# KiCad board modulo_puente_h-panel.kicad_pcb
title: (Panel)
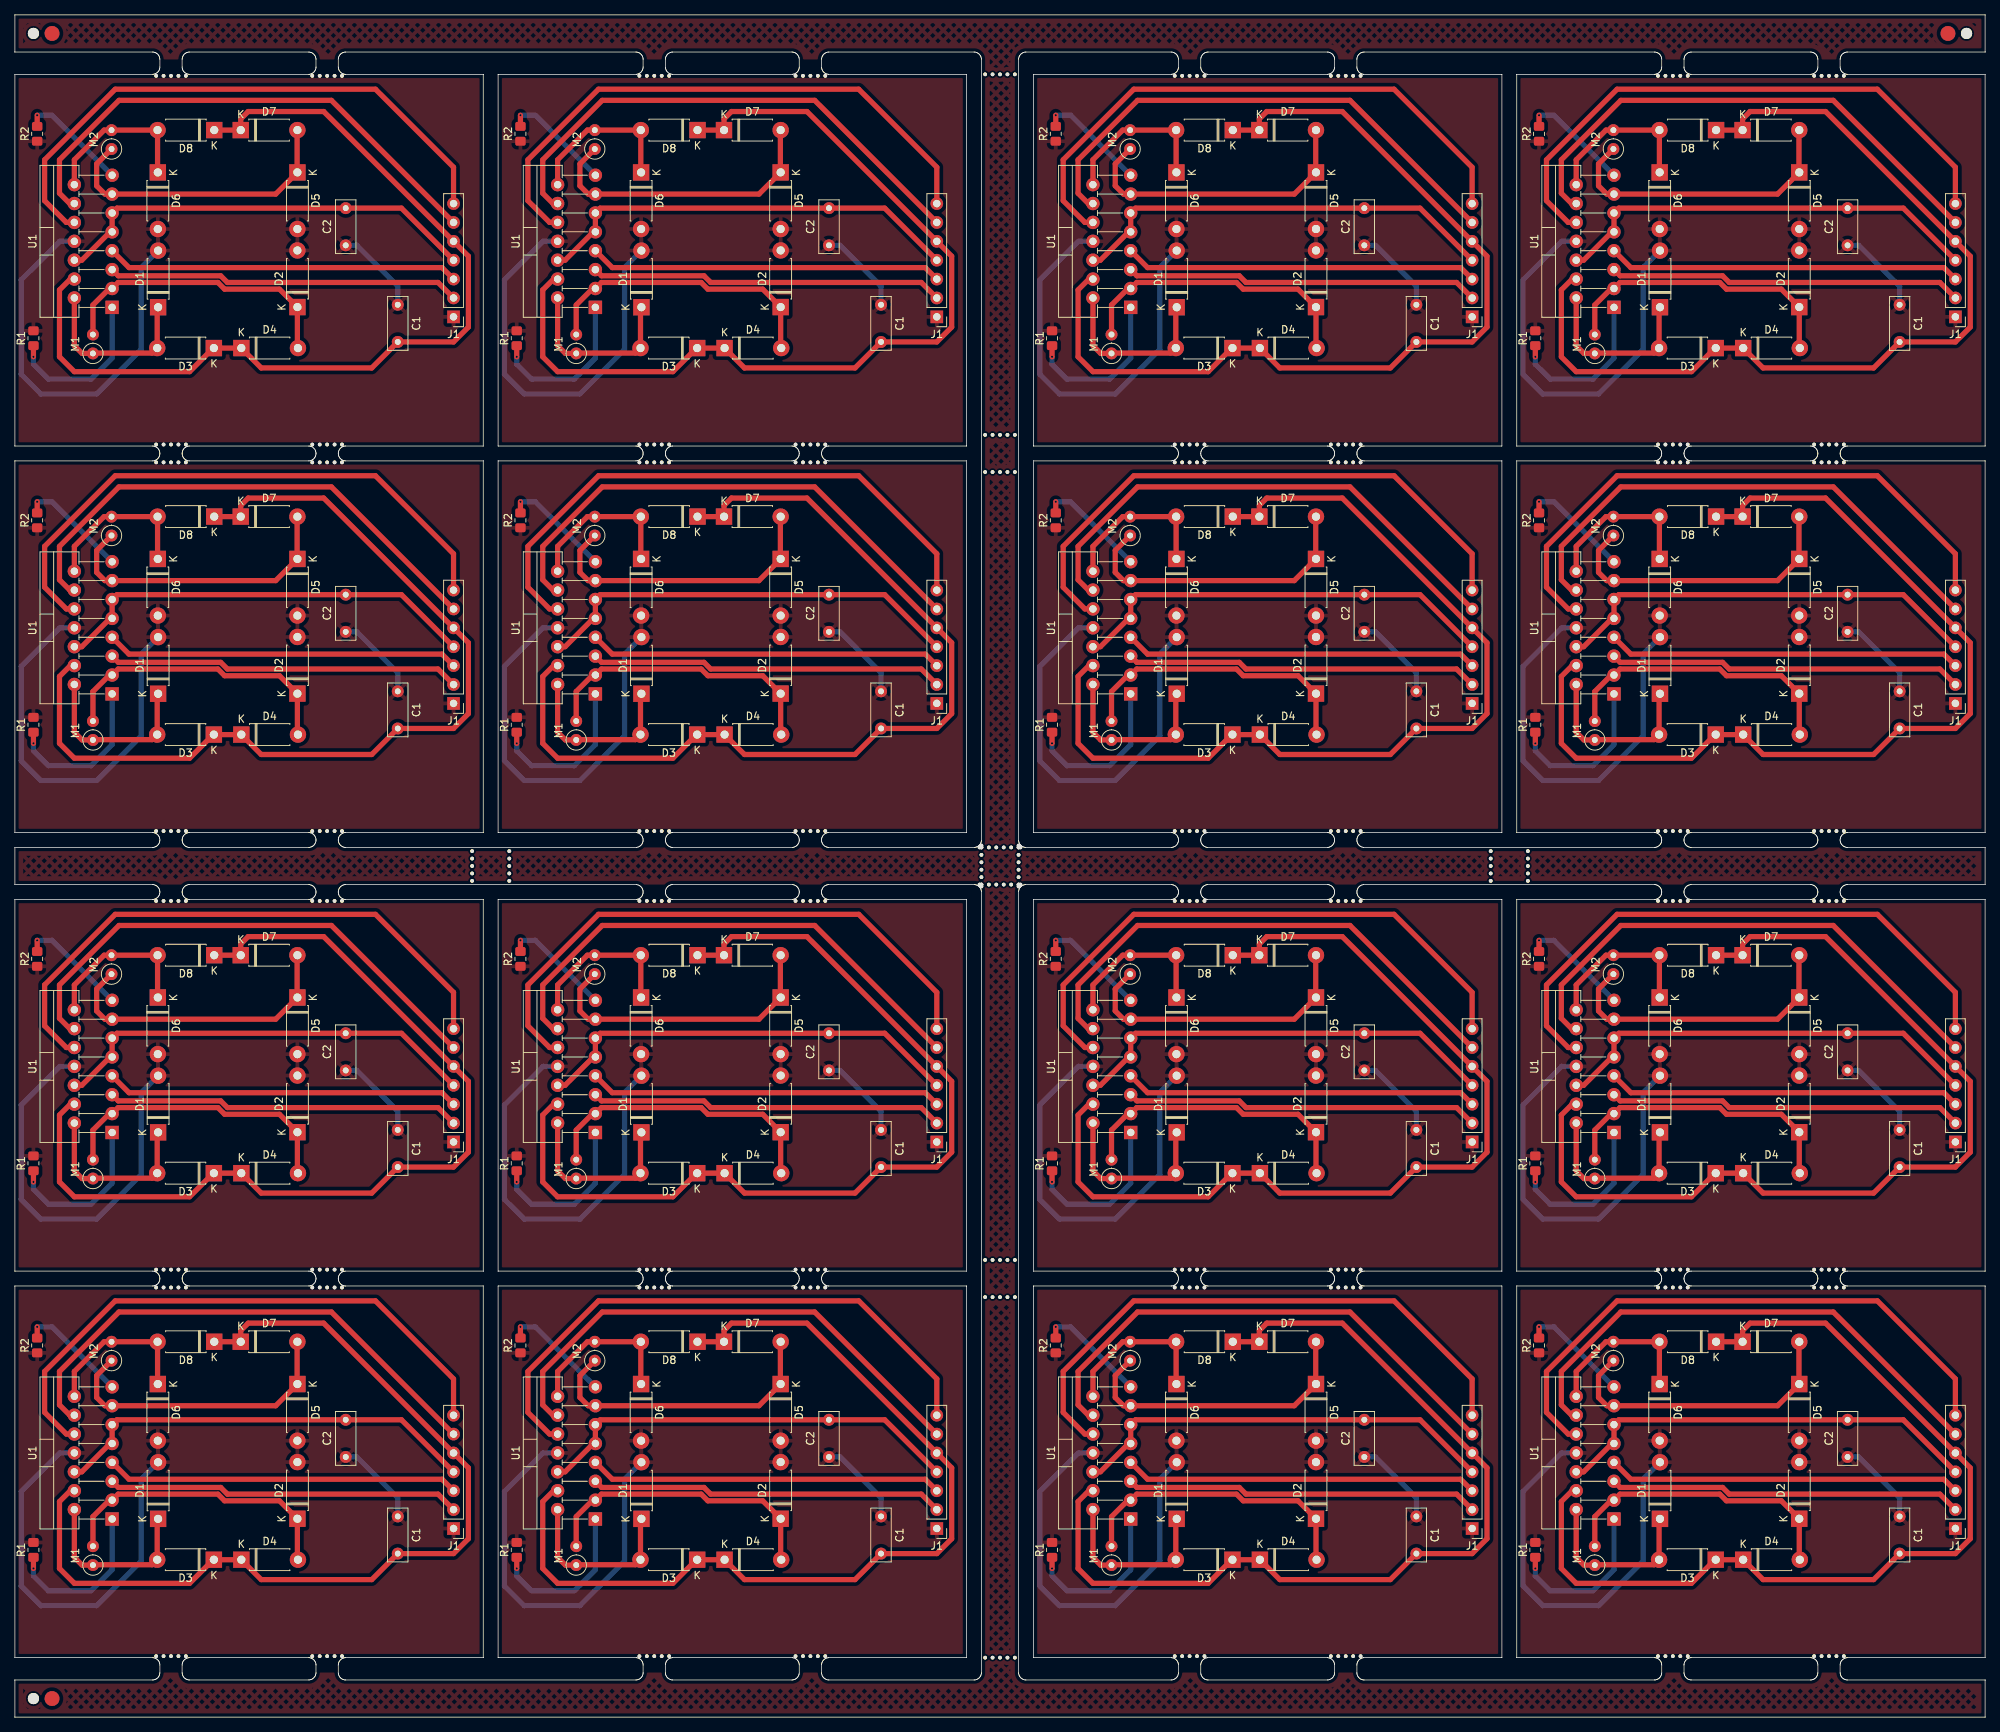
[diagram p0: board, top side]
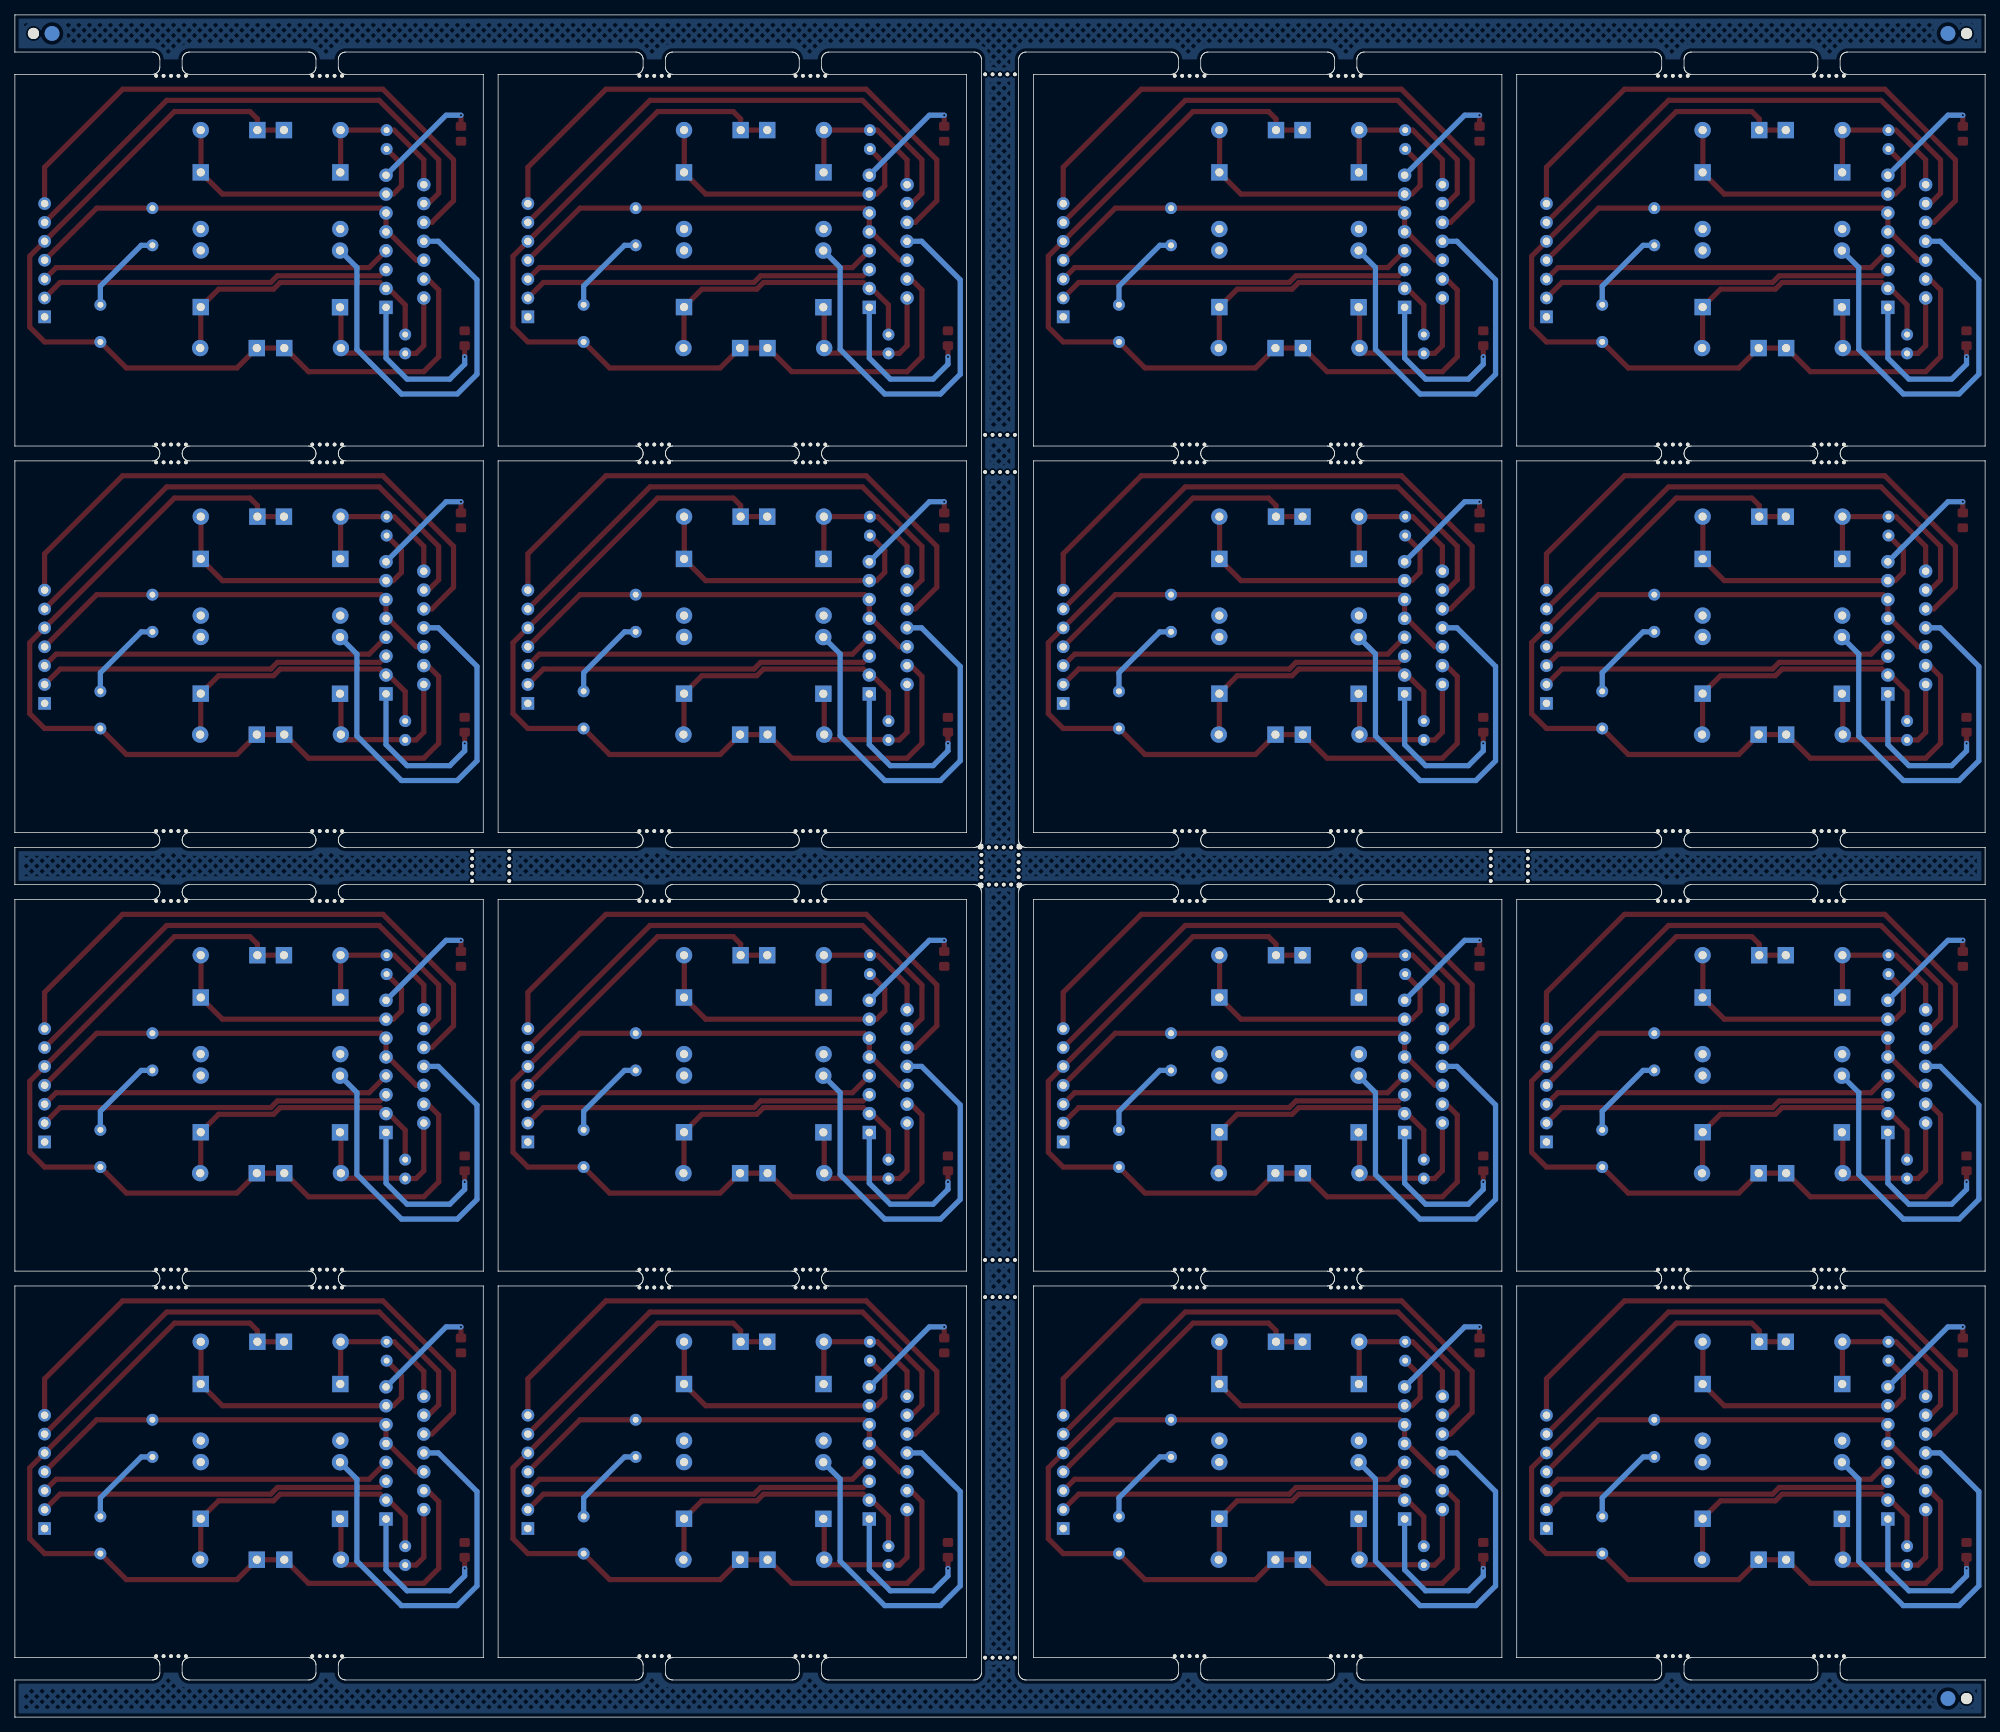
[diagram p1: board, bottom side, seen from below]

Outline 265 x 229 mm; copper layers: Top, Bottom. Coordinates in mm from the lower left corner of the outline.

## Placement (name value [footprint] x y rotation side)
C1  100nF  [C_Disc_D7.0mm_W2.5mm_P5.00mm]  51.5 138 270 top
C1#2  100nF  [C_Disc_D7.0mm_W2.5mm_P5.00mm]  116.5 138 270 top
C1#3  100nF  [C_Disc_D7.0mm_W2.5mm_P5.00mm]  253.5 138 270 top
C1#4  100nF  [C_Disc_D7.0mm_W2.5mm_P5.00mm]  188.5 190 270 top
C1#5  100nF  [C_Disc_D7.0mm_W2.5mm_P5.00mm]  188.5 138 270 top
C1#6  100nF  [C_Disc_D7.0mm_W2.5mm_P5.00mm]  188.5 79 270 top
C1#7  100nF  [C_Disc_D7.0mm_W2.5mm_P5.00mm]  253.5 79 270 top
C1#8  100nF  [C_Disc_D7.0mm_W2.5mm_P5.00mm]  253.5 190 270 top
C1#9  100nF  [C_Disc_D7.0mm_W2.5mm_P5.00mm]  51.5 190 270 top
C1#10  100nF  [C_Disc_D7.0mm_W2.5mm_P5.00mm]  51.5 27 270 top
C1#11  100nF  [C_Disc_D7.0mm_W2.5mm_P5.00mm]  253.5 27 270 top
C1#12  100nF  [C_Disc_D7.0mm_W2.5mm_P5.00mm]  116.5 190 270 top
C1#13  100nF  [C_Disc_D7.0mm_W2.5mm_P5.00mm]  116.5 27 270 top
C1#14  100nF  [C_Disc_D7.0mm_W2.5mm_P5.00mm]  188.5 27 270 top
C1#15  100nF  [C_Disc_D7.0mm_W2.5mm_P5.00mm]  116.5 79 270 top
C1#16  100nF  [C_Disc_D7.0mm_W2.5mm_P5.00mm]  51.5 79 270 top
C2  100nF  [C_Disc_D7.0mm_W2.5mm_P5.00mm]  181.5 87 90 top
C2#2  100nF  [C_Disc_D7.0mm_W2.5mm_P5.00mm]  109.5 198 90 top
C2#3  100nF  [C_Disc_D7.0mm_W2.5mm_P5.00mm]  246.5 198 90 top
C2#4  100nF  [C_Disc_D7.0mm_W2.5mm_P5.00mm]  109.5 146 90 top
C2#5  100nF  [C_Disc_D7.0mm_W2.5mm_P5.00mm]  246.5 146 90 top
C2#6  100nF  [C_Disc_D7.0mm_W2.5mm_P5.00mm]  109.5 35 90 top
C2#7  100nF  [C_Disc_D7.0mm_W2.5mm_P5.00mm]  246.5 35 90 top
C2#8  100nF  [C_Disc_D7.0mm_W2.5mm_P5.00mm]  181.5 146 90 top
C2#9  100nF  [C_Disc_D7.0mm_W2.5mm_P5.00mm]  246.5 87 90 top
C2#10  100nF  [C_Disc_D7.0mm_W2.5mm_P5.00mm]  109.5 87 90 top
C2#11  100nF  [C_Disc_D7.0mm_W2.5mm_P5.00mm]  181.5 35 90 top
C2#12  100nF  [C_Disc_D7.0mm_W2.5mm_P5.00mm]  44.5 35 90 top
C2#13  100nF  [C_Disc_D7.0mm_W2.5mm_P5.00mm]  44.5 198 90 top
C2#14  100nF  [C_Disc_D7.0mm_W2.5mm_P5.00mm]  44.5 87 90 top
C2#15  100nF  [C_Disc_D7.0mm_W2.5mm_P5.00mm]  181.5 198 90 top
C2#16  100nF  [C_Disc_D7.0mm_W2.5mm_P5.00mm]  44.5 146 90 top
D1  D  [D_DO-41_SOD81_P7.62mm_Horizontal]  84.27 137.67 90 top
D1#2  D  [D_DO-41_SOD81_P7.62mm_Horizontal]  156.27 78.67 90 top
D1#3  D  [D_DO-41_SOD81_P7.62mm_Horizontal]  221.27 137.67 90 top
D1#4  D  [D_DO-41_SOD81_P7.62mm_Horizontal]  221.27 189.67 90 top
D1#5  D  [D_DO-41_SOD81_P7.62mm_Horizontal]  84.27 189.67 90 top
D1#6  D  [D_DO-41_SOD81_P7.62mm_Horizontal]  19.27 26.67 90 top
D1#7  D  [D_DO-41_SOD81_P7.62mm_Horizontal]  156.27 137.67 90 top
D1#8  D  [D_DO-41_SOD81_P7.62mm_Horizontal]  221.27 78.67 90 top
D1#9  D  [D_DO-41_SOD81_P7.62mm_Horizontal]  84.27 26.67 90 top
D1#10  D  [D_DO-41_SOD81_P7.62mm_Horizontal]  19.27 137.67 90 top
D1#11  D  [D_DO-41_SOD81_P7.62mm_Horizontal]  156.27 26.67 90 top
D1#12  D  [D_DO-41_SOD81_P7.62mm_Horizontal]  19.27 189.67 90 top
D1#13  D  [D_DO-41_SOD81_P7.62mm_Horizontal]  84.27 78.67 90 top
D1#14  D  [D_DO-41_SOD81_P7.62mm_Horizontal]  221.27 26.67 90 top
D1#15  D  [D_DO-41_SOD81_P7.62mm_Horizontal]  156.27 189.67 90 top
D1#16  D  [D_DO-41_SOD81_P7.62mm_Horizontal]  19.27 78.67 90 top
D2  D  [D_DO-41_SOD81_P7.62mm_Horizontal]  103 26.69 90 top
D2#2  D  [D_DO-41_SOD81_P7.62mm_Horizontal]  175 26.69 90 top
D2#3  D  [D_DO-41_SOD81_P7.62mm_Horizontal]  38 78.69 90 top
D2#4  D  [D_DO-41_SOD81_P7.62mm_Horizontal]  240 189.69 90 top
D2#5  D  [D_DO-41_SOD81_P7.62mm_Horizontal]  103 189.69 90 top
D2#6  D  [D_DO-41_SOD81_P7.62mm_Horizontal]  240 137.69 90 top
D2#7  D  [D_DO-41_SOD81_P7.62mm_Horizontal]  103 78.69 90 top
D2#8  D  [D_DO-41_SOD81_P7.62mm_Horizontal]  175 189.69 90 top
D2#9  D  [D_DO-41_SOD81_P7.62mm_Horizontal]  38 137.69 90 top
D2#10  D  [D_DO-41_SOD81_P7.62mm_Horizontal]  240 26.69 90 top
D2#11  D  [D_DO-41_SOD81_P7.62mm_Horizontal]  240 78.69 90 top
D2#12  D  [D_DO-41_SOD81_P7.62mm_Horizontal]  175 78.69 90 top
D2#13  D  [D_DO-41_SOD81_P7.62mm_Horizontal]  38 189.69 90 top
D2#14  D  [D_DO-41_SOD81_P7.62mm_Horizontal]  103 137.69 90 top
D2#15  D  [D_DO-41_SOD81_P7.62mm_Horizontal]  175 137.69 90 top
D2#16  D  [D_DO-41_SOD81_P7.62mm_Horizontal]  38 26.69 90 top
D3  D  [D_DO-41_SOD81_P7.62mm_Horizontal]  228.77 132.18 180 top
D3#2  D  [D_DO-41_SOD81_P7.62mm_Horizontal]  163.77 184.18 180 top
D3#3  D  [D_DO-41_SOD81_P7.62mm_Horizontal]  26.77 184.18 180 top
D3#4  D  [D_DO-41_SOD81_P7.62mm_Horizontal]  163.77 21.18 180 top
D3#5  D  [D_DO-41_SOD81_P7.62mm_Horizontal]  26.77 73.18 180 top
D3#6  D  [D_DO-41_SOD81_P7.62mm_Horizontal]  91.77 73.18 180 top
D3#7  D  [D_DO-41_SOD81_P7.62mm_Horizontal]  228.77 21.18 180 top
D3#8  D  [D_DO-41_SOD81_P7.62mm_Horizontal]  91.77 132.18 180 top
D3#9  D  [D_DO-41_SOD81_P7.62mm_Horizontal]  91.77 184.18 180 top
D3#10  D  [D_DO-41_SOD81_P7.62mm_Horizontal]  163.77 132.18 180 top
D3#11  D  [D_DO-41_SOD81_P7.62mm_Horizontal]  26.77 132.18 180 top
D3#12  D  [D_DO-41_SOD81_P7.62mm_Horizontal]  228.77 73.18 180 top
D3#13  D  [D_DO-41_SOD81_P7.62mm_Horizontal]  163.77 73.18 180 top
D3#14  D  [D_DO-41_SOD81_P7.62mm_Horizontal]  26.77 21.18 180 top
D3#15  D  [D_DO-41_SOD81_P7.62mm_Horizontal]  228.77 184.18 180 top
D3#16  D  [D_DO-41_SOD81_P7.62mm_Horizontal]  91.77 21.18 180 top
D4  D  [D_DO-41_SOD81_P7.62mm_Horizontal]  30.46 73.18 0 top
D4#2  D  [D_DO-41_SOD81_P7.62mm_Horizontal]  30.46 132.18 0 top
D4#3  D  [D_DO-41_SOD81_P7.62mm_Horizontal]  167.46 21.18 0 top
D4#4  D  [D_DO-41_SOD81_P7.62mm_Horizontal]  95.46 132.18 0 top
D4#5  D  [D_DO-41_SOD81_P7.62mm_Horizontal]  30.46 184.18 0 top
D4#6  D  [D_DO-41_SOD81_P7.62mm_Horizontal]  232.46 21.18 0 top
D4#7  D  [D_DO-41_SOD81_P7.62mm_Horizontal]  30.46 21.18 0 top
D4#8  D  [D_DO-41_SOD81_P7.62mm_Horizontal]  232.46 132.18 0 top
D4#9  D  [D_DO-41_SOD81_P7.62mm_Horizontal]  95.46 21.18 0 top
D4#10  D  [D_DO-41_SOD81_P7.62mm_Horizontal]  95.46 184.18 0 top
D4#11  D  [D_DO-41_SOD81_P7.62mm_Horizontal]  95.46 73.18 0 top
D4#12  D  [D_DO-41_SOD81_P7.62mm_Horizontal]  232.46 184.18 0 top
D4#13  D  [D_DO-41_SOD81_P7.62mm_Horizontal]  167.46 184.18 0 top
D4#14  D  [D_DO-41_SOD81_P7.62mm_Horizontal]  167.46 132.18 0 top
D4#15  D  [D_DO-41_SOD81_P7.62mm_Horizontal]  232.46 73.18 0 top
D4#16  D  [D_DO-41_SOD81_P7.62mm_Horizontal]  167.46 73.18 0 top
D5  D  [D_DO-41_SOD81_P7.62mm_Horizontal]  103 207.81 270 top
D5#2  D  [D_DO-41_SOD81_P7.62mm_Horizontal]  38 207.81 270 top
D5#3  D  [D_DO-41_SOD81_P7.62mm_Horizontal]  38 155.81 270 top
D5#4  D  [D_DO-41_SOD81_P7.62mm_Horizontal]  175 44.81 270 top
D5#5  D  [D_DO-41_SOD81_P7.62mm_Horizontal]  240 44.81 270 top
D5#6  D  [D_DO-41_SOD81_P7.62mm_Horizontal]  175 155.81 270 top
D5#7  D  [D_DO-41_SOD81_P7.62mm_Horizontal]  240 96.81 270 top
D5#8  D  [D_DO-41_SOD81_P7.62mm_Horizontal]  175 96.81 270 top
D5#9  D  [D_DO-41_SOD81_P7.62mm_Horizontal]  38 44.81 270 top
D5#10  D  [D_DO-41_SOD81_P7.62mm_Horizontal]  240 207.81 270 top
D5#11  D  [D_DO-41_SOD81_P7.62mm_Horizontal]  175 207.81 270 top
D5#12  D  [D_DO-41_SOD81_P7.62mm_Horizontal]  103 155.81 270 top
D5#13  D  [D_DO-41_SOD81_P7.62mm_Horizontal]  103 96.81 270 top
D5#14  D  [D_DO-41_SOD81_P7.62mm_Horizontal]  240 155.81 270 top
D5#15  D  [D_DO-41_SOD81_P7.62mm_Horizontal]  103 44.81 270 top
D5#16  D  [D_DO-41_SOD81_P7.62mm_Horizontal]  38 96.81 270 top
D6  D  [D_DO-41_SOD81_P7.62mm_Horizontal]  19.23 207.81 270 top
D6#2  D  [D_DO-41_SOD81_P7.62mm_Horizontal]  156.23 155.81 270 top
D6#3  D  [D_DO-41_SOD81_P7.62mm_Horizontal]  19.23 44.81 270 top
D6#4  D  [D_DO-41_SOD81_P7.62mm_Horizontal]  156.23 96.81 270 top
D6#5  D  [D_DO-41_SOD81_P7.62mm_Horizontal]  84.23 96.81 270 top
D6#6  D  [D_DO-41_SOD81_P7.62mm_Horizontal]  221.23 44.81 270 top
D6#7  D  [D_DO-41_SOD81_P7.62mm_Horizontal]  84.23 155.81 270 top
D6#8  D  [D_DO-41_SOD81_P7.62mm_Horizontal]  156.23 44.81 270 top
D6#9  D  [D_DO-41_SOD81_P7.62mm_Horizontal]  19.23 155.81 270 top
D6#10  D  [D_DO-41_SOD81_P7.62mm_Horizontal]  221.23 207.81 270 top
D6#11  D  [D_DO-41_SOD81_P7.62mm_Horizontal]  156.23 207.81 270 top
D6#12  D  [D_DO-41_SOD81_P7.62mm_Horizontal]  221.23 155.81 270 top
D6#13  D  [D_DO-41_SOD81_P7.62mm_Horizontal]  84.23 207.81 270 top
D6#14  D  [D_DO-41_SOD81_P7.62mm_Horizontal]  19.23 96.81 270 top
D6#15  D  [D_DO-41_SOD81_P7.62mm_Horizontal]  221.23 96.81 270 top
D6#16  D  [D_DO-41_SOD81_P7.62mm_Horizontal]  84.23 44.81 270 top
D7  D  [D_DO-41_SOD81_P7.62mm_Horizontal]  95.38 161.5 0 top
D7#2  D  [D_DO-41_SOD81_P7.62mm_Horizontal]  30.38 213.5 0 top
D7#3  D  [D_DO-41_SOD81_P7.62mm_Horizontal]  30.38 161.5 0 top
D7#4  D  [D_DO-41_SOD81_P7.62mm_Horizontal]  30.38 102.5 0 top
D7#5  D  [D_DO-41_SOD81_P7.62mm_Horizontal]  167.38 161.5 0 top
D7#6  D  [D_DO-41_SOD81_P7.62mm_Horizontal]  95.38 102.5 0 top
D7#7  D  [D_DO-41_SOD81_P7.62mm_Horizontal]  95.38 50.5 0 top
D7#8  D  [D_DO-41_SOD81_P7.62mm_Horizontal]  167.38 213.5 0 top
D7#9  D  [D_DO-41_SOD81_P7.62mm_Horizontal]  167.38 102.5 0 top
D7#10  D  [D_DO-41_SOD81_P7.62mm_Horizontal]  167.38 50.5 0 top
D7#11  D  [D_DO-41_SOD81_P7.62mm_Horizontal]  95.38 213.5 0 top
D7#12  D  [D_DO-41_SOD81_P7.62mm_Horizontal]  232.38 102.5 0 top
D7#13  D  [D_DO-41_SOD81_P7.62mm_Horizontal]  30.38 50.5 0 top
D7#14  D  [D_DO-41_SOD81_P7.62mm_Horizontal]  232.38 50.5 0 top
D7#15  D  [D_DO-41_SOD81_P7.62mm_Horizontal]  232.38 213.5 0 top
D7#16  D  [D_DO-41_SOD81_P7.62mm_Horizontal]  232.38 161.5 0 top
D8  D  [D_DO-41_SOD81_P7.62mm_Horizontal]  91.81 213.5 180 top
D8#2  D  [D_DO-41_SOD81_P7.62mm_Horizontal]  91.81 161.5 180 top
D8#3  D  [D_DO-41_SOD81_P7.62mm_Horizontal]  26.81 161.5 180 top
D8#4  D  [D_DO-41_SOD81_P7.62mm_Horizontal]  228.81 161.5 180 top
D8#5  D  [D_DO-41_SOD81_P7.62mm_Horizontal]  163.81 50.5 180 top
D8#6  D  [D_DO-41_SOD81_P7.62mm_Horizontal]  163.81 213.5 180 top
D8#7  D  [D_DO-41_SOD81_P7.62mm_Horizontal]  163.81 161.5 180 top
D8#8  D  [D_DO-41_SOD81_P7.62mm_Horizontal]  228.81 213.5 180 top
D8#9  D  [D_DO-41_SOD81_P7.62mm_Horizontal]  26.81 213.5 180 top
D8#10  D  [D_DO-41_SOD81_P7.62mm_Horizontal]  163.81 102.5 180 top
D8#11  D  [D_DO-41_SOD81_P7.62mm_Horizontal]  228.81 50.5 180 top
D8#12  D  [D_DO-41_SOD81_P7.62mm_Horizontal]  91.81 50.5 180 top
D8#13  D  [D_DO-41_SOD81_P7.62mm_Horizontal]  26.81 102.5 180 top
D8#14  D  [D_DO-41_SOD81_P7.62mm_Horizontal]  228.81 102.5 180 top
D8#15  D  [D_DO-41_SOD81_P7.62mm_Horizontal]  26.81 50.5 180 top
D8#16  D  [D_DO-41_SOD81_P7.62mm_Horizontal]  91.81 102.5 180 top
J1  Conn_01x07_Pin  [PinHeader_1x07_P2.54mm_Vertical]  59 77.38 180 top
J1#2  Conn_01x07_Pin  [PinHeader_1x07_P2.54mm_Vertical]  196 77.38 180 top
J1#3  Conn_01x07_Pin  [PinHeader_1x07_P2.54mm_Vertical]  59 25.38 180 top
J1#4  Conn_01x07_Pin  [PinHeader_1x07_P2.54mm_Vertical]  261 136.38 180 top
J1#5  Conn_01x07_Pin  [PinHeader_1x07_P2.54mm_Vertical]  124 77.38 180 top
J1#6  Conn_01x07_Pin  [PinHeader_1x07_P2.54mm_Vertical]  124 25.38 180 top
J1#7  Conn_01x07_Pin  [PinHeader_1x07_P2.54mm_Vertical]  261 188.38 180 top
J1#8  Conn_01x07_Pin  [PinHeader_1x07_P2.54mm_Vertical]  261 77.38 180 top
J1#9  Conn_01x07_Pin  [PinHeader_1x07_P2.54mm_Vertical]  59 136.38 180 top
J1#10  Conn_01x07_Pin  [PinHeader_1x07_P2.54mm_Vertical]  196 188.38 180 top
J1#11  Conn_01x07_Pin  [PinHeader_1x07_P2.54mm_Vertical]  59 188.38 180 top
J1#12  Conn_01x07_Pin  [PinHeader_1x07_P2.54mm_Vertical]  196 25.38 180 top
J1#13  Conn_01x07_Pin  [PinHeader_1x07_P2.54mm_Vertical]  261 25.38 180 top
J1#14  Conn_01x07_Pin  [PinHeader_1x07_P2.54mm_Vertical]  196 136.38 180 top
J1#15  Conn_01x07_Pin  [PinHeader_1x07_P2.54mm_Vertical]  124 188.38 180 top
J1#16  Conn_01x07_Pin  [PinHeader_1x07_P2.54mm_Vertical]  124 136.38 180 top
KiKit_FID_B_1  -  [Fiducial]  5 226.5 180 bottom
KiKit_FID_B_2  -  [Fiducial]  260 226.5 180 bottom
KiKit_FID_B_3  -  [Fiducial]  5 2.5 180 bottom
KiKit_FID_T_1  -  [Fiducial]  5 226.5 0 top
KiKit_FID_T_2  -  [Fiducial]  260 226.5 0 top
KiKit_FID_T_3  -  [Fiducial]  5 2.5 0 top
KiKit_MB_1_1  -  [NPTH]  19 220.8 0 top
KiKit_MB_1_2  -  [NPTH]  20 220.8 0 top
KiKit_MB_1_3  -  [NPTH]  21 220.8 0 top
KiKit_MB_1_4  -  [NPTH]  22 220.8 0 top
KiKit_MB_1_5  -  [NPTH]  23 220.8 0 top
KiKit_MB_2_1  -  [NPTH]  40 220.8 0 top
KiKit_MB_2_2  -  [NPTH]  41 220.8 0 top
KiKit_MB_2_3  -  [NPTH]  42 220.8 0 top
KiKit_MB_2_4  -  [NPTH]  43 220.8 0 top
KiKit_MB_2_5  -  [NPTH]  44 220.8 0 top
KiKit_MB_3_1  -  [NPTH]  23 171.2 0 top
KiKit_MB_3_2  -  [NPTH]  22 171.2 0 top
KiKit_MB_3_3  -  [NPTH]  21 171.2 0 top
KiKit_MB_3_4  -  [NPTH]  20 171.2 0 top
KiKit_MB_3_5  -  [NPTH]  19 171.2 0 top
KiKit_MB_4_1  -  [NPTH]  44 171.2 0 top
KiKit_MB_4_2  -  [NPTH]  43 171.2 0 top
KiKit_MB_4_3  -  [NPTH]  42 171.2 0 top
KiKit_MB_4_4  -  [NPTH]  41 171.2 0 top
KiKit_MB_4_5  -  [NPTH]  40 171.2 0 top
KiKit_MB_5_1  -  [NPTH]  84 220.8 0 top
KiKit_MB_5_2  -  [NPTH]  85 220.8 0 top
KiKit_MB_5_3  -  [NPTH]  86 220.8 0 top
KiKit_MB_5_4  -  [NPTH]  87 220.8 0 top
KiKit_MB_5_5  -  [NPTH]  88 220.8 0 top
KiKit_MB_6_1  -  [NPTH]  105 220.8 0 top
KiKit_MB_6_2  -  [NPTH]  106 220.8 0 top
KiKit_MB_6_3  -  [NPTH]  107 220.8 0 top
KiKit_MB_6_4  -  [NPTH]  108 220.8 0 top
KiKit_MB_6_5  -  [NPTH]  109 220.8 0 top
KiKit_MB_7_1  -  [NPTH]  88 171.2 0 top
KiKit_MB_7_2  -  [NPTH]  87 171.2 0 top
KiKit_MB_7_3  -  [NPTH]  86 171.2 0 top
KiKit_MB_7_4  -  [NPTH]  85 171.2 0 top
KiKit_MB_7_5  -  [NPTH]  84 171.2 0 top
KiKit_MB_8_1  -  [NPTH]  109 171.2 0 top
KiKit_MB_8_2  -  [NPTH]  108 171.2 0 top
KiKit_MB_8_3  -  [NPTH]  107 171.2 0 top
KiKit_MB_8_4  -  [NPTH]  106 171.2 0 top
KiKit_MB_8_5  -  [NPTH]  105 171.2 0 top
KiKit_MB_9_1  -  [NPTH]  156 220.8 0 top
KiKit_MB_9_2  -  [NPTH]  157 220.8 0 top
KiKit_MB_9_3  -  [NPTH]  158 220.8 0 top
KiKit_MB_9_4  -  [NPTH]  159 220.8 0 top
KiKit_MB_9_5  -  [NPTH]  160 220.8 0 top
KiKit_MB_10_1  -  [NPTH]  177 220.8 0 top
KiKit_MB_10_2  -  [NPTH]  178 220.8 0 top
KiKit_MB_10_3  -  [NPTH]  179 220.8 0 top
KiKit_MB_10_4  -  [NPTH]  180 220.8 0 top
KiKit_MB_10_5  -  [NPTH]  181 220.8 0 top
KiKit_MB_11_1  -  [NPTH]  160 171.2 0 top
KiKit_MB_11_2  -  [NPTH]  159 171.2 0 top
KiKit_MB_11_3  -  [NPTH]  158 171.2 0 top
KiKit_MB_11_4  -  [NPTH]  157 171.2 0 top
KiKit_MB_11_5  -  [NPTH]  156 171.2 0 top
KiKit_MB_12_1  -  [NPTH]  181 171.2 0 top
KiKit_MB_12_2  -  [NPTH]  180 171.2 0 top
KiKit_MB_12_3  -  [NPTH]  179 171.2 0 top
KiKit_MB_12_4  -  [NPTH]  178 171.2 0 top
KiKit_MB_12_5  -  [NPTH]  177 171.2 0 top
KiKit_MB_13_1  -  [NPTH]  221 220.8 0 top
KiKit_MB_13_2  -  [NPTH]  222 220.8 0 top
KiKit_MB_13_3  -  [NPTH]  223 220.8 0 top
KiKit_MB_13_4  -  [NPTH]  224 220.8 0 top
KiKit_MB_13_5  -  [NPTH]  225 220.8 0 top
KiKit_MB_14_1  -  [NPTH]  242 220.8 0 top
KiKit_MB_14_2  -  [NPTH]  243 220.8 0 top
KiKit_MB_14_3  -  [NPTH]  244 220.8 0 top
KiKit_MB_14_4  -  [NPTH]  245 220.8 0 top
KiKit_MB_14_5  -  [NPTH]  246 220.8 0 top
KiKit_MB_15_1  -  [NPTH]  225 171.2 0 top
KiKit_MB_15_2  -  [NPTH]  224 171.2 0 top
KiKit_MB_15_3  -  [NPTH]  223 171.2 0 top
KiKit_MB_15_4  -  [NPTH]  222 171.2 0 top
KiKit_MB_15_5  -  [NPTH]  221 171.2 0 top
KiKit_MB_16_1  -  [NPTH]  246 171.2 0 top
KiKit_MB_16_2  -  [NPTH]  245 171.2 0 top
KiKit_MB_16_3  -  [NPTH]  244 171.2 0 top
KiKit_MB_16_4  -  [NPTH]  243 171.2 0 top
KiKit_MB_16_5  -  [NPTH]  242 171.2 0 top
KiKit_MB_17_1  -  [NPTH]  19 168.8 0 top
KiKit_MB_17_2  -  [NPTH]  20 168.8 0 top
KiKit_MB_17_3  -  [NPTH]  21 168.8 0 top
KiKit_MB_17_4  -  [NPTH]  22 168.8 0 top
KiKit_MB_17_5  -  [NPTH]  23 168.8 0 top
KiKit_MB_18_1  -  [NPTH]  40 168.8 0 top
KiKit_MB_18_2  -  [NPTH]  41 168.8 0 top
KiKit_MB_18_3  -  [NPTH]  42 168.8 0 top
KiKit_MB_18_4  -  [NPTH]  43 168.8 0 top
KiKit_MB_18_5  -  [NPTH]  44 168.8 0 top
KiKit_MB_19_1  -  [NPTH]  23 119.2 0 top
KiKit_MB_19_2  -  [NPTH]  22 119.2 0 top
KiKit_MB_19_3  -  [NPTH]  21 119.2 0 top
KiKit_MB_19_4  -  [NPTH]  20 119.2 0 top
KiKit_MB_19_5  -  [NPTH]  19 119.2 0 top
KiKit_MB_20_1  -  [NPTH]  44 119.2 0 top
KiKit_MB_20_2  -  [NPTH]  43 119.2 0 top
KiKit_MB_20_3  -  [NPTH]  42 119.2 0 top
KiKit_MB_20_4  -  [NPTH]  41 119.2 0 top
KiKit_MB_20_5  -  [NPTH]  40 119.2 0 top
KiKit_MB_21_1  -  [NPTH]  84 168.8 0 top
KiKit_MB_21_2  -  [NPTH]  85 168.8 0 top
KiKit_MB_21_3  -  [NPTH]  86 168.8 0 top
KiKit_MB_21_4  -  [NPTH]  87 168.8 0 top
KiKit_MB_21_5  -  [NPTH]  88 168.8 0 top
KiKit_MB_22_1  -  [NPTH]  105 168.8 0 top
KiKit_MB_22_2  -  [NPTH]  106 168.8 0 top
KiKit_MB_22_3  -  [NPTH]  107 168.8 0 top
KiKit_MB_22_4  -  [NPTH]  108 168.8 0 top
KiKit_MB_22_5  -  [NPTH]  109 168.8 0 top
KiKit_MB_23_1  -  [NPTH]  88 119.2 0 top
KiKit_MB_23_2  -  [NPTH]  87 119.2 0 top
KiKit_MB_23_3  -  [NPTH]  86 119.2 0 top
KiKit_MB_23_4  -  [NPTH]  85 119.2 0 top
KiKit_MB_23_5  -  [NPTH]  84 119.2 0 top
KiKit_MB_24_1  -  [NPTH]  109 119.2 0 top
KiKit_MB_24_2  -  [NPTH]  108 119.2 0 top
KiKit_MB_24_3  -  [NPTH]  107 119.2 0 top
KiKit_MB_24_4  -  [NPTH]  106 119.2 0 top
KiKit_MB_24_5  -  [NPTH]  105 119.2 0 top
KiKit_MB_25_1  -  [NPTH]  156 168.8 0 top
KiKit_MB_25_2  -  [NPTH]  157 168.8 0 top
KiKit_MB_25_3  -  [NPTH]  158 168.8 0 top
KiKit_MB_25_4  -  [NPTH]  159 168.8 0 top
KiKit_MB_25_5  -  [NPTH]  160 168.8 0 top
KiKit_MB_26_1  -  [NPTH]  177 168.8 0 top
KiKit_MB_26_2  -  [NPTH]  178 168.8 0 top
KiKit_MB_26_3  -  [NPTH]  179 168.8 0 top
KiKit_MB_26_4  -  [NPTH]  180 168.8 0 top
KiKit_MB_26_5  -  [NPTH]  181 168.8 0 top
KiKit_MB_27_1  -  [NPTH]  160 119.2 0 top
KiKit_MB_27_2  -  [NPTH]  159 119.2 0 top
KiKit_MB_27_3  -  [NPTH]  158 119.2 0 top
KiKit_MB_27_4  -  [NPTH]  157 119.2 0 top
KiKit_MB_27_5  -  [NPTH]  156 119.2 0 top
KiKit_MB_28_1  -  [NPTH]  181 119.2 0 top
KiKit_MB_28_2  -  [NPTH]  180 119.2 0 top
KiKit_MB_28_3  -  [NPTH]  179 119.2 0 top
KiKit_MB_28_4  -  [NPTH]  178 119.2 0 top
KiKit_MB_28_5  -  [NPTH]  177 119.2 0 top
KiKit_MB_29_1  -  [NPTH]  221 168.8 0 top
KiKit_MB_29_2  -  [NPTH]  222 168.8 0 top
KiKit_MB_29_3  -  [NPTH]  223 168.8 0 top
KiKit_MB_29_4  -  [NPTH]  224 168.8 0 top
KiKit_MB_29_5  -  [NPTH]  225 168.8 0 top
KiKit_MB_30_1  -  [NPTH]  242 168.8 0 top
KiKit_MB_30_2  -  [NPTH]  243 168.8 0 top
KiKit_MB_30_3  -  [NPTH]  244 168.8 0 top
KiKit_MB_30_4  -  [NPTH]  245 168.8 0 top
KiKit_MB_30_5  -  [NPTH]  246 168.8 0 top
KiKit_MB_31_1  -  [NPTH]  225 119.2 0 top
KiKit_MB_31_2  -  [NPTH]  224 119.2 0 top
KiKit_MB_31_3  -  [NPTH]  223 119.2 0 top
KiKit_MB_31_4  -  [NPTH]  222 119.2 0 top
KiKit_MB_31_5  -  [NPTH]  221 119.2 0 top
KiKit_MB_32_1  -  [NPTH]  246 119.2 0 top
KiKit_MB_32_2  -  [NPTH]  245 119.2 0 top
KiKit_MB_32_3  -  [NPTH]  244 119.2 0 top
KiKit_MB_32_4  -  [NPTH]  243 119.2 0 top
KiKit_MB_32_5  -  [NPTH]  242 119.2 0 top
KiKit_MB_33_1  -  [NPTH]  19 109.8 0 top
KiKit_MB_33_2  -  [NPTH]  20 109.8 0 top
KiKit_MB_33_3  -  [NPTH]  21 109.8 0 top
KiKit_MB_33_4  -  [NPTH]  22 109.8 0 top
KiKit_MB_33_5  -  [NPTH]  23 109.8 0 top
KiKit_MB_34_1  -  [NPTH]  40 109.8 0 top
KiKit_MB_34_2  -  [NPTH]  41 109.8 0 top
KiKit_MB_34_3  -  [NPTH]  42 109.8 0 top